# Altium PCB RPIadaptor1.PcbDoc (part 1 of 2)
Units mm, origin at the board's own origin, x right, y up, seen from the top; angles counter-clockwise.
Board outline 106 x 56 mm, 4 copper layers (Top Layer, Ground, 3V3P, Bottom Layer), stack 1.578 mm thick; 78 components, 84 nets, 535 pads, 369 vias.
Unrouted connection lines stored in the file: 8.
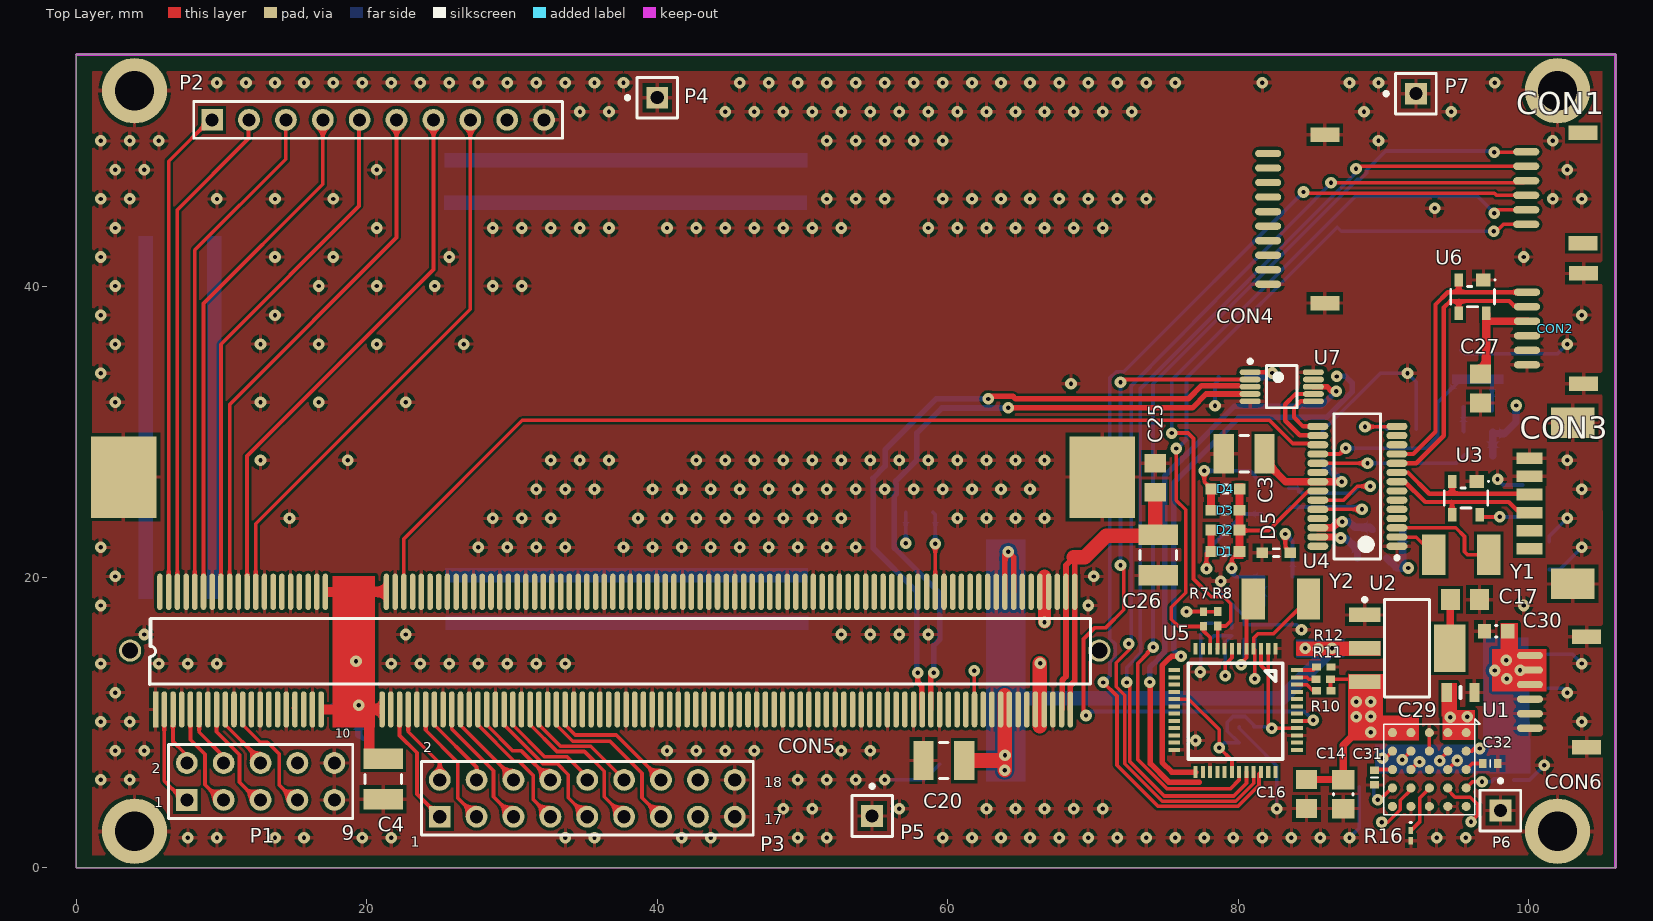
[diagram p0: Top Layer view]
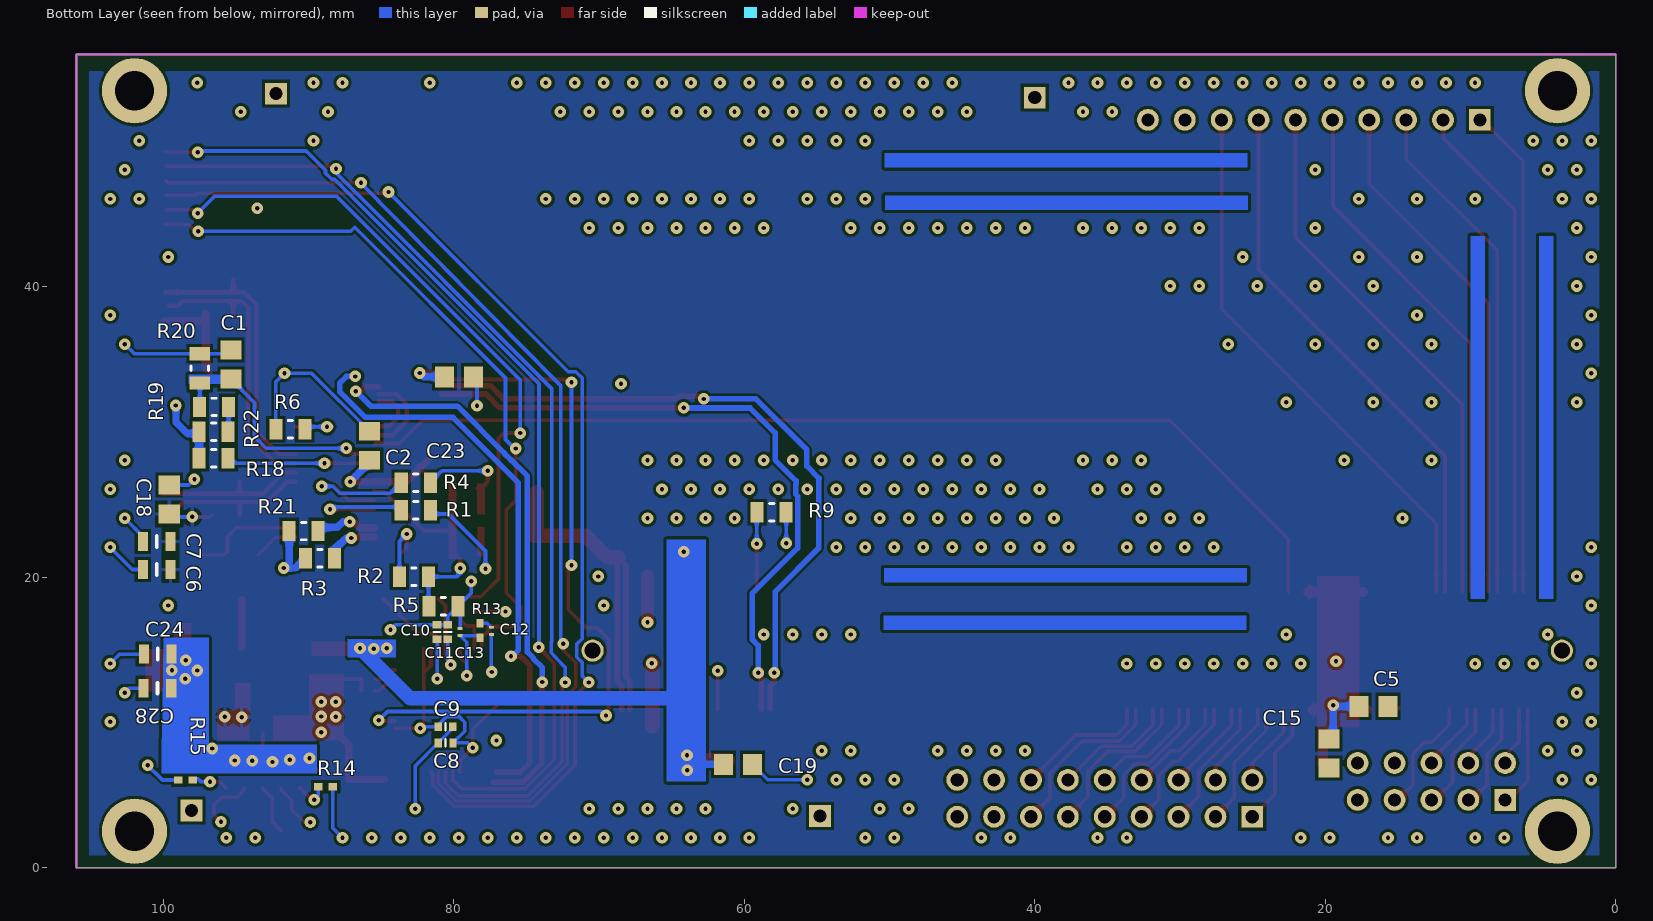
[diagram p1: Bottom Layer view, seen from below]
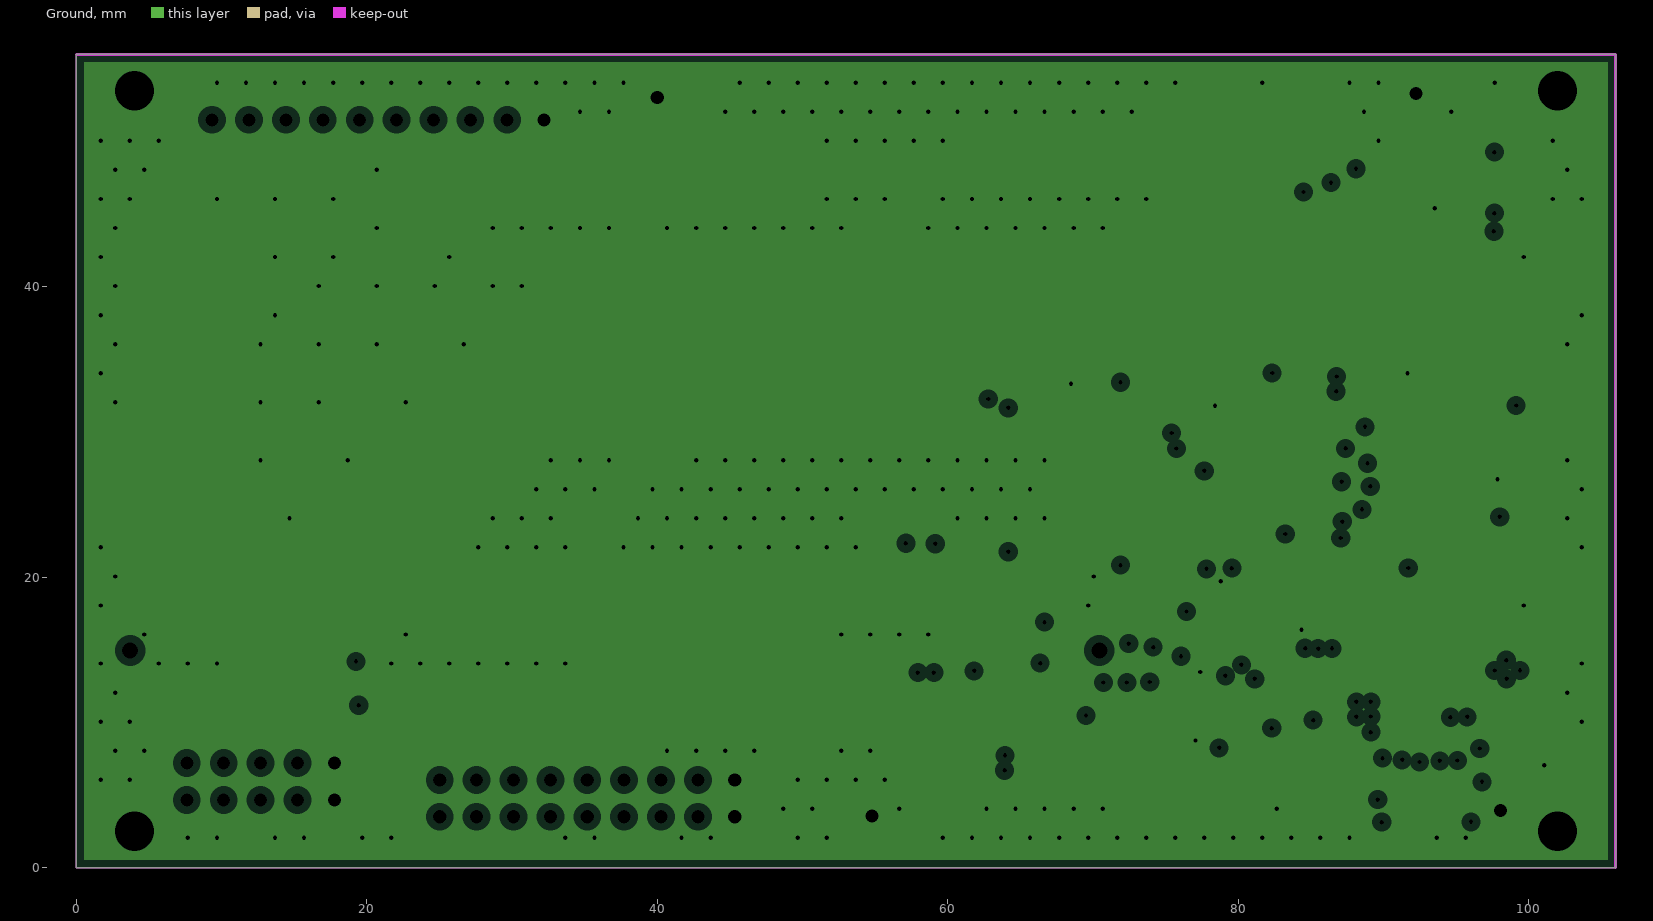
[diagram p2: Ground, clearances drawn from the general rule]
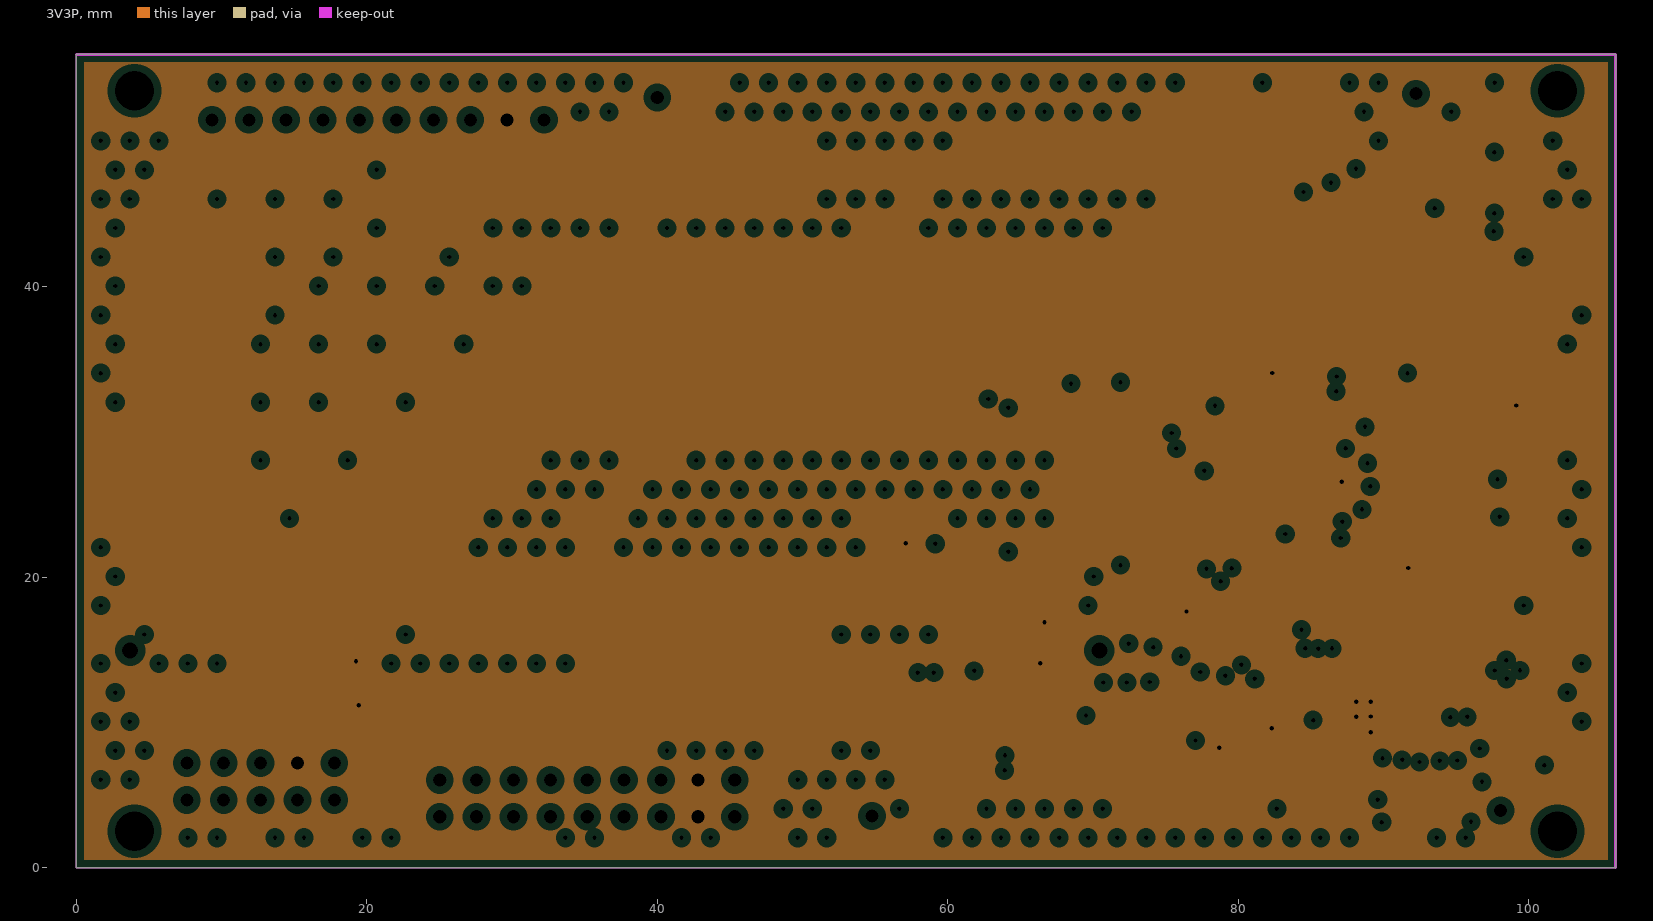
[diagram p3: 3V3P, clearances drawn from the general rule]
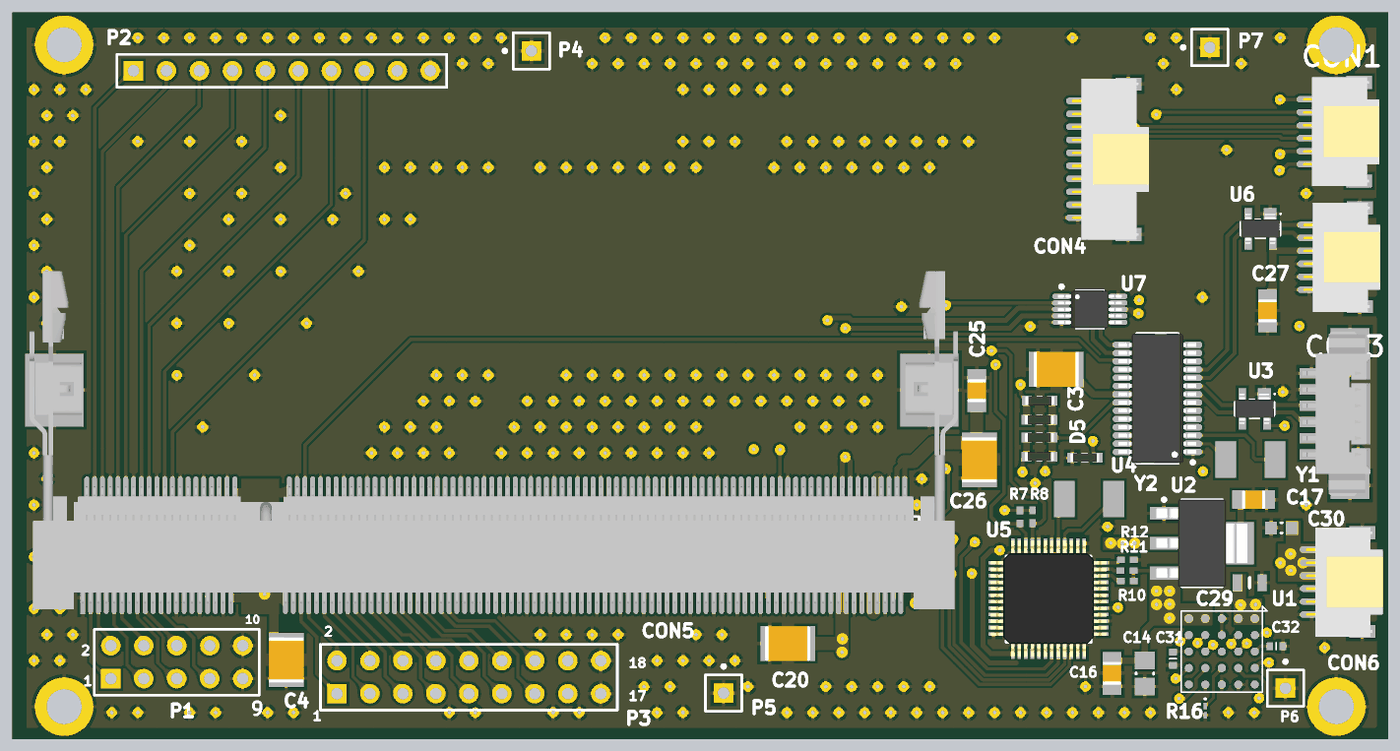
[diagram p5: 3D render of the assembled board from above, using the file's embedded part models]
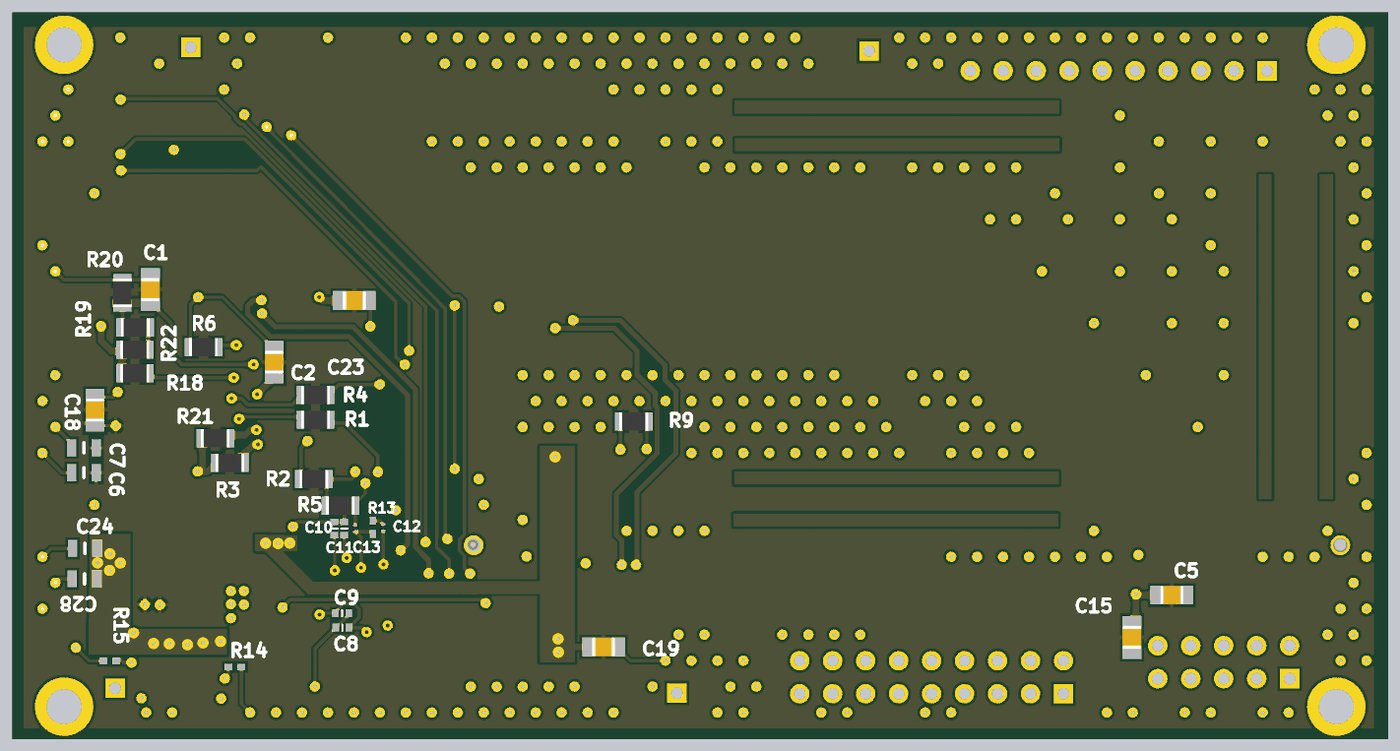
[diagram p6: 3D render of the assembled board from below, using the file's embedded part models]

## Layer stack, top to bottom
Top Solder: solder mask 0.0127, Solder Resist, Dk 3.3
Top Layer: signal copper 0.033
Dielectric Top: dielectric 0.223, FR-4, Dk 4.3
Ground: plane copper 0.033, net GND
Core: dielectric 1, FR-4, Dk 4.3
3V3P: plane copper 0.033, net 3V3P
Dielectric Bottom: dielectric 0.223, FR-4, Dk 4.3
Bottom Layer: signal copper 0.033
Bottom Solder: solder mask 0.0127, Solder Resist, Dk 3.3

## Board outline
0,0 0,56 106,56 106,0

## Design rules (kind name [scope] priority, off if disabled: settings)
Clearance [All] p1: gap=0.2 ignorepadtopadclearanceinfootprint=TRUE except(0: Arc-Text Track-Text SMDPad-Text THPad-Text Via-Text Fill-Text Poly-Text Region-Text Text-Text; 0.1: Arc-Arc Arc-Track Arc-SMDPad Track-Track Track-SMDPad SMDPad-SMDPad; 0.15: Arc-Fill Arc-Poly Arc-Region Track-Fill Track-Poly Track-Region)
ComponentClearance [All] p1: gap=0.2 collisioncheckmode=3 verticalgap=0.254 showdistances=TRUE
DiffPairsRouting DiffPair_DIFF90v1DiffPairsRouting [InDifferentialPairClass('DIFF90')] p1: maxlimit=0.5 minlimit=0.3 mostfreqgap=0.3 toplayer_minwidth=0.2 toplayer_maxwidth=0.3 toplayer_prefwidth=0.3 bottomlayer_minwidth=0.2 bottomlayer_maxwidth=0.3 bottomlayer_prefwidth=0.3 maxuncoupledlength=12.7
DiffPairsRouting DiffPair_DIFF90DiffPairsRouting [InDifferentialPairClass('DIFF90')] p2 off: maxlimit=0.39 minlimit=0.37 mostfreqgap=0.381 toplayer_minwidth=0.381 toplayer_maxwidth=0.381 toplayer_prefwidth=0.381 bottomlayer_minwidth=0.381 bottomlayer_maxwidth=0.381 bottomlayer_prefwidth=0.381 maxuncoupledlength=12.7
DiffPairsRouting [All] p3: maxlimit=0.254 minlimit=0.254 mostfreqgap=0.254 toplayer_minwidth=0.381 toplayer_maxwidth=0.381 toplayer_prefwidth=0.381 bottomlayer_minwidth=0.381 bottomlayer_maxwidth=0.381 bottomlayer_prefwidth=0.381 maxuncoupledlength=12.7
HoleSize [All] p1: absolutevalues=TRUE maxlimit=5 minlimit=0.025 maxpercent=80.000 minpercent=20.000
MatchedLengths DiffPair_DIFF90v1MatchedLengths [InDifferentialPairClass('DIFF90')] p1: tolerance=25.4 checknetsindiffpair=TRUE checkdiffpairvsdiffpair=FALSE checkxsignals=FALSE checkothers=FALSE
MatchedLengths DiffPair_DIFF90MatchedLengths [InDifferentialPairClass('DIFF90')] p2: tolerance=40 checknetsindiffpair=FALSE checkdiffpairvsdiffpair=TRUE checkxsignals=TRUE checkothers=TRUE
MinimumSolderMaskSliver [All] p1: minsoldermaskwidth=0.03
PlaneClearance [All] p1: clearance=0.508
PlaneConnect [All] p1: planeconnectstyle=Relief reliefexpansion=0.508 reliefentries=4 reliefconductorwidth=0.254 reliefairgap=0.254
PolygonConnect [All] p1: connectstyle=Relief reliefconductorwidth=0.254 reliefentries=4 polygonreliefangle="90 Angle" airgapwidth=0.254
RoutingVias [All] p1: holewidth=0.711 width=1.27 viastyle="Through Hole" minholewidth=0.711 minwidth=1.27 maxholewidth=0.711 maxwidth=1.27
SilkToSilkClearance [All] p1: silktosilkclearance=0.1
SilkToSolderMaskClearance [IsPad] p1 off: minsilkscreentomaskgap=0.254 clearancetoexposedcopper=TRUE
SolderMaskExpansion [All] p1: expansion=0.03
Width [All] p1: maxlimit=5 minlimit=0.254 preferedwidth=0.254
22 further rules are at their usual default settings.

## Classes and differential pairs
component class Power: C4 C14 C15 C16 C17 C19 C20 C24 C25 C28 C29 C30 C31 C32 CON6 R14 R15 R16 U1 U2
component class Main: C1 C2 C3 C6 C7 C8 C9 C10 C11 C12 C13 C18 C23 C27 C? CON1 CON2 CON3 CON4 CON? D1 D2 D3 D4 D5 R1 R2 R3 R4 R5 R6 R7 R8 R9 R10 R11 R12 R13 R18 R19 R20 R21 R22 R? U3 U4 U5 U6 U? Y1 Y2
component class Misc: P1 P2 P3 P4 P5 P6 P7 P?
differential pair H2SW: +H2SW_P -H2SW_N
differential pair RPI2SW: +RPI2SW_P -RPI2SW_N
differential pair SW2SW: +SW2SW_P -SW2SW_N
differential pair NODE2H: +NODE2H_P -NODE2H_N
differential pair CAM2H: +CAM2H_P -CAM2H_N

## Components (designator, comment, footprint, x,y, rotation, side; value= is the part's Value field where it differs from the comment)
C1 "C0805C104K5RACTU" 0805_X7R_KEMET 95.355,34.639 r90 bottom
C2 "C0805C104K5RACTU" 0805_X7R_KEMET 85.805,29.051 r90 bottom
C3 "C1210C476M8RAC7800" 1210_X7R_KEMET_ABOVE4.7UF 80.425,28.5 r180 top
C4 "C1210C476M8RAC7800" 1210_X7R_KEMET_ABOVE4.7UF 21.125,6.1 r270 top
C5 "C0805C106M8RACTU" 0805_X7R_KEMET 16.675,11.1 r180 bottom
C6 "47uF" "0805 B" 100.475,20.525 r180 bottom
C7 "47uF" "0805 B" 100.475,22.45 r180 bottom
C8 ".1uF" "0402 B" 80.575,8.59 r0 bottom
C9 ".1uF" "0402 B" 80.585,9.7 r180 bottom
C10 "68pF" "0402 B" 81.175,16.225 r90 bottom
C11 "68pF" "0402 B" 80.425,16.225 r90 bottom
C12 "10nF" "0201 B" 77.425,16.3 r270 bottom
C13 "1nF" "0201 B" 79.575,16.225 r90 bottom
C14 "47uF 6.3V" CAPC0805(2012)145_M 87.25,5.057 r90 top value=4.7uF
C15 "C0805C104K5RACTU" 0805_X7R_KEMET 19.747,7.846 r270 bottom
C16 "C0805C106M8RACTU" 0805_X7R_KEMET 84.725,5.075 r270 top
C17 "C0805C106M8RACTU" 0805_X7R_KEMET 95.625,18.45 r0 top
C18 "C0805C104K5RACTU" 0805_X7R_KEMET 99.61,25.35 r90 bottom
C19 "C0805C104K5RACTU" 0805_X7R_KEMET 60.447,7.109 r180 bottom
C20 "C1210C476M8RAC7800" 1210_X7R_KEMET_ABOVE4.7UF 59.736,7.373 r180 top
C23 "C0805C104K5RACTU" 0805_X7R_KEMET 79.65,33.8 r0 bottom
C24 "22uF" "0805 B" 100.4,14.7 r180 bottom
C25 "C0805C104K5RACTU" 0805_X7R_KEMET 74.3,26.85 r90 top
C26 "C1210C476M8RAC7800" 1210_X7R_KEMET_ABOVE4.7UF 74.5,21.525 r270 top
C27 "C0805C104K5RACTU" 0805_X7R_KEMET 96.7,33 r270 top
C28 "22uf" "0805 B" 100.425,12.35 r180 bottom
C29 "22uF 10V" "0805 B" 95.325,12.05 r180 top
C30 "4.7uF 25V" CAPC0603(1608)100_N 97.775,16.275 r0 top value=75pF
C31 ".1uF" "0402 B" 89.405,6.2 r90 top
C32 ".1uF" "0402 B" 97.375,7.162 r180 top
CON1 "T1M-06-F-SH-L-K" T1M-06-F-SH-L-K 99.85,44.3 r90 top
CON2 "T1M-06-F-SH-L-K" T1M-06-F-SH-L-K 99.9,34.625 r90 top
CON3 "0532610671" 0532610671 100.07,21.945 r90 top
CON4 "T1M-10-F-SH-L-K" T1M-10-F-SH-L-K 82.075,49.176 r90 top
CON5 "1473005-4" "SODIMM SOCKET .6 PITCH 200 POS RIGHT ANGLE" 5.95,10.892 r90 top
CON6 "T1M-06-F-SH-L-K" T1M-06-F-SH-L-K 100.1,9.6 r90 top
D1 "not in the supplier database" LTST-S220KRKT 79.125,21.775 r0 top
D2 "not in the supplier database" LTST-S220KRKT 79.125,23.25 r180 top
D3 "not in the supplier database" LTST-S220KRKT 79.129,24.61 r0 top
D4 "not in the supplier database" LTST-S220KRKT 79.15,26.075 r180 top
D5 "not in the supplier database" LTST-S220KRKT 82.63,21.685 r180 top
P1 "Header 5X2" HDR2X5 7.6,4.66 r0 top
P2 "Header 10" HDR1X10 9.345,51.5 r0 top
P3 "Header 9X2" HDR2X9 25.02,3.5 r0 top
P4 "Plug" PIN1 40,53.025 r90 top
P5 "Plug" PIN1 54.8,3.55 r0 top
P6 "Plug" PIN1 98.075,3.925 r0 top
P7 "Plug" PIN1 92.25,53.3 r90 top
R1 "CRCW080575R0FKEA" CRCW0805_VISHAY 82.63,24.606 r180 bottom
R2 "CRCW080575R0FKEA" CRCW0805_VISHAY 82.757,20.034 r0 bottom
R3 "CRCW080510K0FKEA_ESTE" CRCW0805_VISHAY 89.234,21.304 r0 bottom
R4 "CRCW080575R0FKEA" CRCW0805_VISHAY 82.63,26.511 r180 bottom
R5 "CRCW08050000Z0EA" CRCW0805_VISHAY 80.725,18.002 r180 bottom
R6 "CRCW08052K70FKEA" CRCW0805_VISHAY 91.266,30.194 r0 bottom
R7 "47K" 0402 77.625,17.125 r90 top
R8 "47K" 0402 78.6,17.131 r90 top
R9 "CRCW080510K0FKEA_ESTE" CRCW0805_VISHAY 58.119,24.479 r0 bottom
R10 "47K" 0402 85.9,12.175 r180 top
R11 "47K" 0402 85.875,12.975 r180 top
R12 "47K" 0402 85.9,13.809 r180 top
R13 "47K" 0402 78.211,16.325 r90 bottom
R14 "13K3 0.1%" 0402 88.847,5.565 r180 bottom
R15 "8K25 0.1%" 0402 98.488,6.025 r0 bottom
R16 "324K 0.1%" 0603 91.905,2.202 r270 top
R18 "CRCW08050000Z0EA" CRCW0805_VISHAY 96.55,28.2 r0 bottom
R19 "CRCW080510K0FKEA_ESTE" CRCW0805_VISHAY 96.525,31.725 r180 bottom
R20 "CRCW0805100KFKEA" CRCW0805_VISHAY 97.514,34.385 r90 bottom
R21 "CRCW080510K0FKEA_ESTE" CRCW0805_VISHAY 90.35,23.175 r0 bottom
R22 "CRCW08050000Z0EA" CRCW0805_VISHAY 96.55,30.025 r0 bottom
U1 "LTM4622IV#PBF" "LGA 25" 93.175,6.75 r180 top
U2 "LM1117MPX-1.8/NOPB" SOT230P700X180-4N 91.65,15.1 r0 top
U3 "PRTR5V0U2X,215" SOT143B 95.7,25.45 r270 top
U4 "XR22404" SSOP-28 88.218,26.257 r180 top
U5 "VNC1L" VNC1L 10.93,1.73 r180 top
U6 "PRTR5V0U2X,215" SOT143B 96.15,39.325 r270 top
U7 "FSUSB42" MSOP-10 83.011,33.115 r0 top
Y1 "7A-12.000MAAE-T" 7A-12.000 97.275,21.542 r180 top
Y2 "7A-12.000MAAE-T" 7A-12.000 81.05,18.5 r0 top

## Footprints (in the part's own frame and the unit in brackets; to place one, negate y for a bottom-side part, rotate by r counter-clockwise, add the part's x,y. Pads: shape width x height; smd on the part's side, far side on the other; paste and mask are expansions set on the pad)
7A-12.000 [mm]
  rect 1.6x2.8 smd: 1(0,0) 2(3.8,0)
  body extent -0.65,-1.65 4.35,1.55, height 1.25
"0201 B" [mm] "SMD 0201"
  rect 0.2x0.33 smd mask+0.07: 1(-0.25,0) 2(0.25,0)
  body extent -0.3,-0.15 0.3,0.15, height 0.3
0402 [mm] "Chip Capacitor, Body 1.0x0.5mm, IPC High Density"
  rect 0.6x0.5 smd: 1(-0.5,0) 2(0.5,0)
  body extent -0.55,-0.3 0.55,0.3, height 1.3
"0402 B" [mil] "SMD 0402 blue"
  rect 20x24 smd: 1(-20,0) 2(20,0)
  silkscreen extent 0,-10 0,10, body extent -20,-10 20,10, height 18
0603 [mm] "Chip Inductor, Body 0.6x0.3mm, IPC High Density"
  rect 0.5x0.3 smd: 1(-0.35,0) 2(0.35,0)
  silkscreen extent -0.9,-0.05 -0.9,0.05, body extent -0.33,-0.18 0.33,0.18, height 0.55
"0805 B" [mm] "SMD 0805 blue"
  rect 0.7x1.3 smd: 1(-0.95,0) 2(0.95,0)
  silkscreen extent 0,-0.38 0,0.38, body extent -1,-0.6 1,0.6, height 1.25
0805_X7R_KEMET [mm]
  rect 1.3x1.45 smd: 1(-1,0) 2(1,0)
  body extent -0.9,-0.72 0.9,0.72, height 0.88
1210_X7R_KEMET_ABOVE4.7UF [mm]
  rect 1.4x2.7 smd: 1(-1.4,0) 2(1.4,0)
  silkscreen extent -0.3,-1.25 0.3,1.25, body extent -1.75,-1.35 1.75,1.35, height 2.8
0532610671 [mm]
  rect 0.8x1.8 smd: 1(0,0) 2(1.25,0) 3(2.5,0) 4(3.75,0) 5(5,0) 6(6.25,0)
  rect 2.1x3 smd: GND(-2.41,-2.98) GND(8.68,-2.98)
  body extent -3.2,-4.54 9.44,0.66, height 3.4
CAPC0603(1608)100_N [mm] "Chip Capacitor, Body 1.6x0.8mm, Height 1.0mm, IPC Medium Density"
  rect 0.9x1 smd: 1(-0.8,0) 2(0.8,0)
  silkscreen extent -0.05,-0.4 0.05,0.4, body extent -0.87,-0.48 0.88,0.47, height 1
CAPC0805(2012)145_M [mm] "Chip Capacitor, Body 2.0x1.2mm, Height 1.45mm, IPC Low Density"
  rect 1.35x1.55 smd: 1(-1,0) 2(1,0)
  silkscreen extent -0.05,-0.67 0.05,0.67, body extent -1.1,-0.72 1.1,0.72, height 1.45
CRCW0805_VISHAY [mm]
  rect 0.9x1.4 smd: 1(-1,0) 2(1,0)
  silkscreen extent -0.15,-0.6 0.15,0.6, body extent -1.1,-0.7 1.1,0.7, height 0.5
HDR1X10 [mm] "Connector; Header; 10 Position"
  rect 1.5x1.5 hole 0.9: 1(0,0)
  round 1.5 hole 0.9: 2(2.54,0) 3(5.08,0) 4(7.62,0) 5(10.16,0) 6(12.7,0) 7(15.24,0) 8(17.78,0) 9(20.32,0) 10(22.86,0)
  silkscreen extent -1.27,-1.27 24.13,1.27
HDR2X5 [mm] "Connector; Header; 5x2 Position"
  rect 1.5x1.5 hole 0.9: 1(0,0)
  round 1.5 hole 0.9: 2(0,2.54) 3(2.54,0) 4(2.54,2.54) 5(5.08,0) 6(5.08,2.54) 7(7.62,0) 8(7.62,2.54) 9(10.16,0) 10(10.16,2.54)
  silkscreen extent -1.27,-1.27 11.43,3.81
HDR2X9 [mm] "Connector; Header; 9x2 Position"
  rect 1.5x1.5 hole 0.9: 1(0,0)
  round 1.5 hole 0.9: 2(0,2.54) 3(2.54,0) 4(2.54,2.54) 5(5.08,0) 6(5.08,2.54) 7(7.62,0) 8(7.62,2.54) 9(10.16,0) 10(10.16,2.54) 11(12.7,0) 12(12.7,2.54) 13(15.24,0) 14(15.24,2.54) 15(17.78,0) 16(17.78,2.54) 17(20.32,0) 18(20.32,2.54)
  silkscreen extent -1.27,-1.27 21.59,3.81
"LGA 25" [mm] "5x5 LGA"
  round 0.63 smd: A1(-2.54,-2.54) A2(-2.54,-1.27) A3(-2.54,0) A4(-2.54,1.27) A5(-2.54,2.54) B1(-1.27,-2.54) B2(-1.27,-1.27) B3(-1.27,0) B4(-1.27,1.27) B5(-1.27,2.54) C1(0,-2.54) C2(0,-1.27) C3(0,0) C4(0,1.27) C5(0,2.54) D1(1.27,-2.54) D2(1.27,-1.27) D3(1.27,0) D4(1.27,1.27) D5(1.27,2.54) E1(2.54,-2.54) E2(2.54,-1.27) E3(2.54,0) E4(2.54,1.27) E5(2.54,2.54)
  silkscreen extent -3.5,-3.5 3.13,3.13, body extent -3.13,-3.13 3.12,3.12, height 1.82
LTST-S220KRKT [mm]
  rect 0.8x0.75 smd: 1(-0.975,0) 2(0.975,0)
  silkscreen extent -0.2,-0.28 0.2,0.28, body extent -1.12,-0.35 1.12,0.35, height 1.1
MSOP-10 [mm]
  oval 1.45x0.4 smd: 1(-2.175,1) 2(-2.175,0.5) 3(-2.175,0) 4(-2.175,-0.5) 5(-2.175,-1) 6(2.175,-1) 7(2.175,-0.5) 8(2.175,0) 9(2.175,0.5) 10(2.175,1)
  silkscreen extent -2.3,-1.45 1.05,1.87, body extent -2.45,-1.45 2.45,1.45, height 1.1
PIN1 [mm] "Connector; Plug"
  rect 1.5x1.5 hole 0.9: 1(0,0)
  silkscreen extent -1.4,-1.4 1.4,2.17
"SODIMM SOCKET .6 PITCH 200 POS RIGHT ANGLE" [mm]
  rect 2.5x0.38 smd: 1(0,0.5)
  oval 2.5x0.38 smd: 2(8.1,0.2) 3(0,-0.1) 4(8.1,-0.4) 5(0,-0.7) 6(8.1,-1) 7(0,-1.3) 8(8.1,-1.6) 9(0,-1.9) 10(8.1,-2.2) 11(0,-2.5) 12(8.1,-2.8) 13(0,-3.1) 14(8.1,-3.4) 15(0,-3.7) 16(8.1,-4) 17(0,-4.3) 18(8.1,-4.6) 19(0,-4.9) 20(8.1,-5.2) 21(0,-5.5) 22(8.1,-5.8) 23(0,-6.1) 24(8.1,-6.4) 25(0,-6.7) 26(8.1,-7) 27(0,-7.3) 28(8.1,-7.6) 29(0,-7.9) 30(8.1,-8.2) 31(0,-8.5) 32(8.1,-8.8) 33(0,-9.1) 34(8.1,-9.4) 35(0,-9.7) 36(8.1,-10) 37(0,-10.3) 38(8.1,-10.6) 39(0,-10.9) 40(8.1,-11.2) 41(0,-15.1) 42(8.1,-15.4) 43(0,-15.7) 44(8.1,-16) 45(0,-16.3) 46(8.1,-16.6) 47(0,-16.9) 48(8.1,-17.2) 49(0,-17.5) 50(8.1,-17.8) 51(0,-18.1) 52(8.1,-18.4) 53(0,-18.7) 54(8.1,-19) 55(0,-19.3) 56(8.1,-19.6) 57(0,-19.9) 58(8.1,-20.2) 59(0,-20.5) 60(8.1,-20.8) 61(0,-21.1) 62(8.1,-21.4) 63(0,-21.7) 64(8.1,-22) 65(0,-22.3) 66(8.1,-22.6) 67(0,-22.9) 68(8.1,-23.2) 69(0,-23.5) 70(8.1,-23.8) 71(0,-24.1) 72(8.1,-24.4) 73(0,-24.7) 74(8.1,-25) 75(0,-25.3) 76(8.1,-25.6) 77(0,-25.9) 78(8.1,-26.2) 79(0,-26.5) 80(8.1,-26.8) 81(0,-27.1) 82(8.1,-27.4) 83(0,-27.7) 84(8.1,-28) 85(0,-28.3) 86(8.1,-28.6) 87(0,-28.9) 88(8.1,-29.2) 89(0,-29.5) 90(8.1,-29.8) 91(0,-30.1) 92(8.1,-30.4) 93(0,-30.7) 94(8.1,-31) 95(0,-31.3) 96(8.1,-31.6) 97(0,-31.9) 98(8.1,-32.2) 99(0,-32.5) 100(8.1,-32.8) 101(0,-33.1) 102(8.1,-33.4) 103(0,-33.7) 104(8.1,-34) 105(0,-34.3) 106(8.1,-34.6) 107(0,-34.9) 108(8.1,-35.2) 109(0,-35.5) 110(8.1,-35.8) 111(0,-36.1) 112(8.1,-36.4) 113(0,-36.7) 114(8.1,-37) 115(0,-37.3) 116(8.1,-37.6) 117(0,-37.9) 118(8.1,-38.2) 119(0,-38.5) 120(8.1,-38.8) 121(0,-39.1) 122(8.1,-39.4) 123(0,-39.7) 124(8.1,-40) 125(0,-40.3) 126(8.1,-40.6) 127(0,-40.9) 128(8.1,-41.2) 129(0,-41.5) 130(8.1,-41.8) 131(0,-42.1) 132(8.1,-42.4) 133(0,-42.7) 134(8.1,-43) 135(0,-43.3) 136(8.1,-43.6) 137(0,-43.9) 138(8.1,-44.2) 139(0,-44.5) 140(8.1,-44.8) 141(0,-45.1) 142(8.1,-45.4) 143(0,-45.7) 144(8.1,-46) 145(0,-46.3) 146(8.1,-46.6) 147(0,-46.9) 148(8.1,-47.2) 149(0,-47.5) 150(8.1,-47.8) 151(0,-48.1) 152(8.1,-48.4) 153(0,-48.7) 154(8.1,-49) 155(0,-49.3) 156(8.1,-49.6) 157(0,-49.9) 158(8.1,-50.2) 159(0,-50.5) 160(8.1,-50.8) 161(0,-51.1) 162(8.1,-51.4) 163(0,-51.7) 164(8.1,-52) 165(0,-52.3) 166(8.1,-52.6) 167(0,-52.9) 168(8.1,-53.2) 169(0,-53.5) 170(8.1,-53.8) 171(0,-54.1) 172(8.1,-54.4) 173(0,-54.7) 174(8.1,-55) 175(0,-55.3) 176(8.1,-55.6) 177(0,-55.9) 178(8.1,-56.2) 179(0,-56.5) 180(8.1,-56.8) 181(0,-57.1) 182(8.1,-57.4) 183(0,-57.7) 184(8.1,-58) 185(0,-58.3) 186(8.1,-58.6) 187(0,-58.9) 188(8.1,-59.2) 189(0,-59.5) 190(8.1,-59.8) 191(0,-60.1) 192(8.1,-60.4) 193(0,-60.7) 194(8.1,-61) 195(0,-61.3) 196(8.1,-61.6) 197(0,-61.9) 198(8.1,-62.2) 199(0,-62.5) 200(8.1,-62.8)
  rect 5.6x4.5 smd: GND(16,2.7) GND(16,-64.7)
  round 1.524 hole 1.1 unplated: SODIMM_MH1(4.05,2.25) SODIMM_MH2(4.05,-64.5)
  silkscreen extent 1.75,-63.9 6.25,0.9, body extent -0.9,-66.9 25.15,4.6, height 5.2
SOT143B [mm] "SOT143, 4-Leads, Body 2.90x2.30mm, Pitch 1.90mm, IPC Medium Density"
  rect 0.9x1 smd: 1(-1.15,0.75)
  rect 0.9x0.6 smd: 2(-1.15,-0.95) 3(1.15,-0.95) 4(1.15,0.95)
  silkscreen extent -1.2,-1.5 0.7,1.6, body extent -1.15,-1.5 1.15,1.5, height 1.1
SOT230P700X180-4N [mm] "SOT223, 4-Leads, Body 6.50x7.00mm (avg), Pitch 2.30mm, IPC Medium Density"
  rect 2.15x1 smd: 1(-2.925,-2.3) 2(-2.925,0) 3(-2.925,2.3)
  rect 2.15x3.25 smd: 4(2.925,0)
  silkscreen extent -3.05,-3.35 1.55,3.47, body extent -3.5,-3.35 3.5,3.35, height 1.8
SSOP-28 [mm]
  oval 1.45x0.5 smd: 1(-2.725,4.127) 2(-2.725,3.492) 3(-2.725,2.857) 4(-2.725,2.222) 5(-2.725,1.587) 6(-2.725,0.952) 7(-2.725,0.317) 8(-2.725,-0.318) 9(-2.725,-0.953) 10(-2.725,-1.588) 11(-2.725,-2.223) 12(-2.725,-2.858) 13(-2.725,-3.492) 14(-2.725,-4.127) 15(2.725,-4.127) 16(2.725,-3.492) 17(2.725,-2.857) 18(2.725,-2.222) 19(2.725,-1.587) 20(2.725,-0.952) 21(2.725,-0.317) 22(2.725,0.318) 23(2.725,0.953) 24(2.725,1.588) 25(2.725,2.223) 26(2.725,2.858) 27(2.725,3.492) 28(2.725,4.127)